# Altium PCB F767最小系统V2.0.PcbDoc (continued)
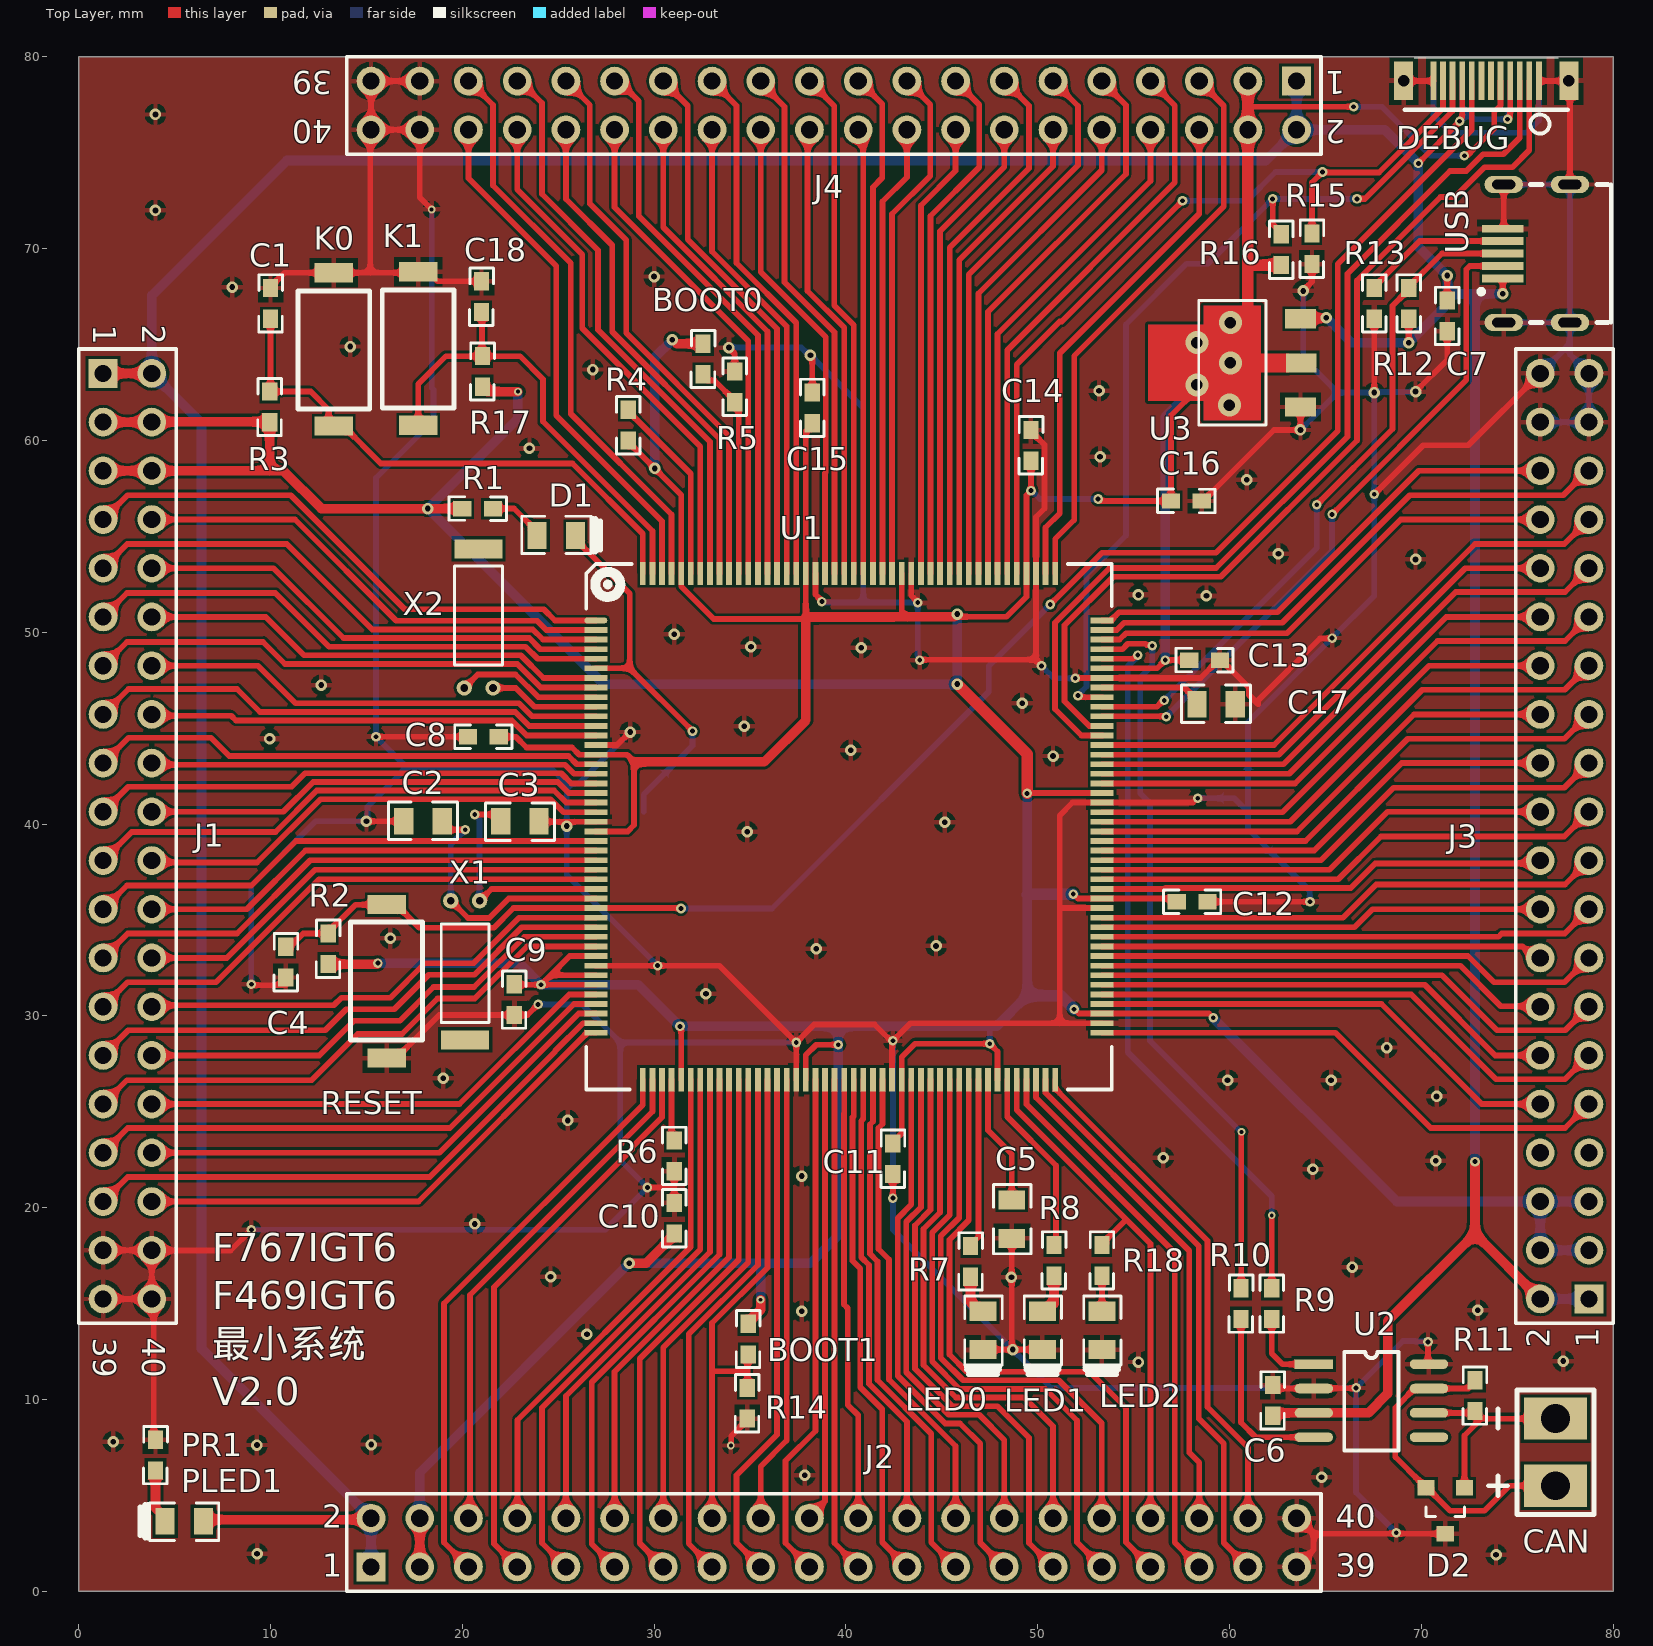
[diagram p0: Top Layer view]
## Nets (pads, with @x,y where several pads share a name; then routed paths per layer and width w, separated by ;. In a path a pad name is that pad's centre, name@x,y a point inside that pad or via, vN(x,y) a via of type N, cw(c..) or ccw(c..) an arc to the next point about the centre after c; other vN are vias at no path point) (continued)
  Top Layer w0.5: J1.1 J1.2 ; PLED1.1 6.58,3.73 15.16,3.73 J2.2 ; C6.1 62.4,9.3 U2.3 67.25,9.3 68.25,10.3 68.25,14.09 72.8,18.64 ; U3.3@63.731,66.381 65.031,66.381 v1(65.05,66.4) ; v2(72.8,22.4) 72.8,18.64 ; J3.2 72.8,18.64
  Bottom Layer w0.3: v2(72,76.65) 72.035,76.65 72.454,77.069 ; DEBUG.B4 72.135,77.388 72.454,77.069 ; DEBUG.B9 74.635,77.135 74.538,77.038 74.538,76.788 v2(74.5,76.75) 72.773,76.75 72.454,77.069
  Bottom Layer w0.5: J2.1 J2.2 6.4,12.65 6.4,60.91 J1.2 3.81,67.56 10.85,74.6 61.9,74.6 J4.2 ; J4.1 J4.2 ; v1(65.05,66.4) 66.35,65.1 v1(69.35,65.1) 71.35,67.1 71.35,67.65 ; v2(72.8,22.4) 72.8,67.65 ; v1(74.25,67.65) 72.8,67.65 ; J3.2 J3.1 ; J4.2 68.1,76.2 v2(69.85,74.45) 69.85,70.1 v1(71.35,68.6) 71.35,67.65 ; 71.35,67.65 72.8,67.65
BOOT0: BOOT0.1 R5.1 U1.166 | length 11.4
  Top Layer w0.3: BOOT0.1 32.55,63.375 32.8,63.125 33.15,63.125 34.2,62.075 R5.1 34.41,61.79 U1.166
CAN1_RX: R10.1 U1.129 | length 38.7
  Top Layer w0.3: U1.129 54.42,49.12 54.7,49.4 55.615,49.4 55.682,49.333 55.934,49.333 v2(55.972,49.295) ; R10.1 60.614,15.814 60.614,23.937 v3(60.628,23.951)
  Bottom Layer w0.3: v2(55.972,49.295) 55.972,48.272 55.35,47.65 55.35,41.6 55.85,41.1 55.85,28.7 60.549,24.001 60.551,24.001 60.601,23.951 v3(60.628,23.951)
CAN1_TX: R9.1 U1.128 | length 38.3
  Top Layer w0.3: U1.128 54.974,48.62 55.167,48.814 v2(55.221,48.814) ; R9.1 v3(62.2,19.6)
  Bottom Layer w0.3: v2(55.221,48.814) 55.221,48.753 54.7,48.231 54.7,28.1 62.2,20.6 v3(62.2,19.6)
CANH: CAN.1 D2.2 R11.2 U2.7 | length 17.4
  Top Layer w0.3: R11.2 72.8,10.925 72.445,10.57 U2.7 69.65,10.57 68.65,9.57 68.65,7 69.95,5.7 69.95,5.65 70.2,5.4 D2.2 70.3,5.4 71.5,4.2 73.3,4.2 74.6,5.5 CAN.1
CANL: CAN.2 D2.1 R11.1 U2.6 | length 10.7
  Top Layer w0.3: U2.6 72.775,9.3 72.8,9.325 R11.1@73.125,9 ; D2.1 72.25,8.125 R11.1@73.125,9 ; CAN.2 R11.1@73.125,9
GND: BT1.2 C1.2 C2.1 C3.1 C4.2 C5.2 C6.2 C7.1 C8.2 C9.2 C10.2 C11.2 C12.2 C13.2 C14.2 C15.2 C16.2 C17.2 C18.2 D2.3 DEBUG.0 DEBUG.A1 DEBUG.A12 DEBUG.B1 DEBUG.B12 J1.37 J1.38 J1.39 J1.40 J2.39 J2.40 J3.37 J3.38 J3.39 J3.40 J4.37 J4.38 J4.39 J4.40 K0.2 K1.2 LED0.2 LED1.2 LED2.2 PR1.2 R5.2 R6.2 R13.2 R14.2 R15.2 RESET.2 U1.14 U1.22 U1.37 U1.61 U1.71 U1.90 U1.102 U1.113 U1.126 U1.135 U1.148 U1.158 U2.2 U2.8 U3.1 USB.0 USB.5 | length 524.7
  Top Layer w0.3: J1.39 J1.40 ; J1.37 J1.38 ; PR1.2 3.905,7.995 3.905,15.145 J1.40 ; v2(9,18.85) 7.915,17.765 3.825,17.765 J1.38 ; v2(9,31.65) 9.027,31.65 9.077,31.6 C4.2@10.8,31.6 ; C1.2 10,68.025 10.725,68.75 K0.2 15.2,68.75 ; v1(15,40.15) C2.1 ; v2(15.5,44.55) C8.2 ; RESET.2 16.55,27.8 18.8,30.05 C9.2 23.4,30.05 v2(23.95,30.6) ; J4.37 J4.39 J4.40 ; v3(18.4,72.05) 17.78,72.67 J4.38 J4.40 ; C18.2 18.7,68.3 18.2,68.8 K1.2 17.65,68.75 15.2,68.75 ; C3.1 24.03,40.12 v1@25.45,40.12 ; v1(25.45,39.9) 25.495,39.945 25.495,40.12 U1.22 ; U1.37 v2(30.18,32.62) 33.4,32.62 v2(37.41,28.61) ; U1.14 28.07,44.12 v1(28.75,44.8) ; v2(29.65,21.05) 31.025,21.05 31.05,21.075 ; C10.2 31.05,21.075 ; R6.2 31.05,21.075 ; v1(33.9,64.85) 33.9,64.825 34.2,64.525 R5.2 ; v3(34,7.6) 34.019,7.619 34.019,8.094 34.85,8.925 R14.2 ; U1.61 v2(37.41,28.61) ; v1(38.15,64.45) 38.15,64.369 38.25,64.269 C15.2 ; U1.158 38.41,51.967 38.75,51.627 v2(38.75,51.6) ; U1.71 v2@42.41,28.633 ; v2(42.45,20.5) C11.2 ; U1.148 43.41,51.917 43.75,51.577 v2(43.75,51.55) ; v2(43.85,48.55) 43.867,48.567 49.91,48.567 ; LED0.2 v1(48.7,12.6) ; C5.2 48.65,12.65 v1(48.7,12.6) ; C14.2 49.65,60.475 50.35,59.775 50.35,56.45 49.91,56.01 U1.135 49.91,48.567 ; v2(50.2,48.25) 50.2,48.277 49.91,48.567 ; LED1.2 v1(48.7,12.6) ; 51.15,35.65 51.18,35.62 U1.102 ; v2(51.964,47.6) 52.077,47.6 52.097,47.62 U1.126 58.495,47.62 59.425,48.55 C13.2 59.575,48.55 61.01,47.115 61.01,46.74 61.5,46.25 61.5,46.46 64.721,49.681 65.331,49.681 v2(65.35,49.7) ; U1.90 51.15,29.62 ; v2(58.35,41.35) 58.323,41.35 58.093,41.12 U1.113 51.82,41.12 51.15,40.45 51.15,29.62 ; C16.2 58.625,56.85 62.325,60.55 v1(63.7,60.55) U3.1 ; C12.2 v2(64.2,35.95) ; C6.2 62.43,10.57 U2.2 64.415,10.585 66.585,10.585 v2(66.6,10.6) ; J2.39 64.387,2.157 64.387,3 ; J2.40 63.577,3.81 64.387,3 ; v1(63.85,67.8) 63.85,67.825 64.3,68.275 R15.2 ; v2(67.55,57.2) 70.1,59.75 72.45,59.75 J3.40 ; v1(67.55,62.5) R13.2 ; DEBUG.0@69.078,78.75 DEBUG.A12 ; v1(69.7,62.55) 71.35,64.2 C7.1 ; v2(70.35,13) 70.35,11.89 U2.8 ; D2.3 64.387,3 ; USB.5 74.3,71.1 USB.0@74.3,73.35 ; DEBUG.A1 77.7,78.75 77.75,78.7 USB.0@77.75,73.35 ; J1.40 J1.38 ; 15.2,68.75 15.2,76.16 J4.40 ; v2(37.41,28.61) 38.35,29.55 41.493,29.55 v2@42.41,28.633 ; v2@42.41,28.633 42.45,28.673 v2(42.45,28.7) 43.37,29.62 51.15,29.62
  Bottom Layer w0.3: v2(9,18.85) 27.45,18.85 v2(29.65,21.05) 28.24,22.46 28.24,28.61 ; v2(9,31.65) 9,36.8 12.35,40.15 v1(15,40.15) 15.05,40.2 15.05,40.9 17.1,42.95 ; v3(18.4,72.05) 18.4,62.75 18.5,62.65 18.5,61.05 15.5,58.05 v2(15.5,44.55) 17.1,42.95 ; v2(23.95,30.6) 26.25,30.6 28.24,28.61 ; v1(28.75,44.8) 26.05,42.1 25.45,42.1 ; v2(30.18,32.62) 25.45,37.35 v1(25.45,39.9) 25.45,42.1 ; v1(33.9,64.85) 37.669,64.85 38.069,64.45 v1(38.15,64.45) 40.9,61.7 40.9,51.55 ; v2(37.41,28.61) 28.24,28.61 ; v2(38.75,51.6) 38.777,51.6 38.827,51.55 40.9,51.55 ; v2(42.45,28.7) v2(42.45,20.5) 42.45,18.85 v1(48.7,12.6) 50.7,10.6 v2(66.6,10.6) ; v2@43.75,48.65 v2(43.75,51.55) 40.9,51.55 ; v2(50.2,48.25) 50.85,47.6 v2(51.964,47.6) ; v2(58.35,41.35) 60.25,41.35 BT1.2 ; v1(63.7,60.55) 65.65,62.5 ; v1(63.85,67.8) 63.85,64.3 65.65,62.5 ; v2(64.2,35.95) 64.181,35.969 64.181,36.519 60.96,39.74 BT1.2 ; v2(68.7,3.05) 66.6,5.15 v2(66.6,10.6) ; DEBUG.0@69.078,78.75 DEBUG.B1 70.635,76.965 71.55,76.05 75.5,76.05 76.135,76.685 DEBUG.B12 DEBUG.0@77.7,78.75 ; v1(69.7,62.55) 69.675,62.525 67.575,62.525 v1(67.55,62.5) ; v2(70.35,13) 70.331,13.019 69.704,13.019 69.673,13.05 69.05,13.05 v2(66.6,10.6) ; USB.0@74.3,66.15 USB.0@77.75,66.15 ; USB.0@74.3,73.35 77.75,73.35 USB.0@77.75,66.15 ; J3.38 J3.37 J3.39 77.75,64.49 77.75,65.05 ; J3.40 77.75,65.05 ; 17.1,42.95 24.6,42.95 25.45,42.1 ; BT1.2 60.96,45.31 v2(65.35,49.7) 67.55,51.9 v2(67.55,57.2) v1(67.55,62.5) ; 65.65,62.5 v1(67.55,62.5) ; 77.75,65.05 USB.0@77.75,66.15
  other v1: 73.9,1.9 9.3,1.95 64.8,5.95 37.85,6.05 9.29,7.623 15.25,7.65 1.8,7.8 55.25,11.95 77.4,12 26.5,13.4 37.7,14.6 72.95,14.65 48.632,16.367 24.6,16.4 66.4,16.9 20.65,19.15 37.7,21.65 64.35,22 70.75,22.45 56.55,22.6 25.5,24.55 70.8,25.8 59.9,26.65 65.3,26.65 19,26.75 68.2,28.35 32.7,31.15 38.45,33.5 44.7,33.65 16.25,34.05 34.85,39.6 45.15,40.1 50.8,43.55 40.25,43.85 9.95,44.45 34.7,45.1 49.2,46.3 12.65,47.25 40.8,49.2 35.05,49.25 31.05,49.9 58.8,51.9 55.25,51.95 69.7,53.8 62.55,54.1 60.9,57.95 53.25,59.15 23.5,59.6 53.2,62.6 26.8,63.7 14.15,64.9 8,68 30,68.55 4,72 4,77
KEY0: C1.1 K0.1 R3.1 U1.176 | length 28.8
  Top Layer w0.3: R3.1 12.1,62.55 13.027,61.623 13.027,61.023 K0.1 13.8,60.75 15.75,58.8 25.75,58.8 29.41,55.14 U1.176 ; R3.1@10,62.55 C1.1
KEY1: C18.1 K1.1 R17.1 U1.175 | length 24.6
  Top Layer w0.3: K1.1 17.7,62.95 19.15,64.4 R17.1 ; C18.1 21.025,66.675 21.025,64.425 R17.1 ; U1.175 29.91,55.276 24.2,60.986 24.2,63.2 23,64.4 R17.1
LED0: R7.1 U1.80 | length 8.9
  Top Layer w0.3: R7.1 46.5,18.075 46.95,18.525 46.91,18.565 U1.80
LED1: R8.1 U1.83 | length 9.2
  Top Layer w0.3: U1.83 48.41,24.74 50.95,22.2 50.95,18.55
NetC5_1: C5.1 U1.81 | length 6.8
  Top Layer w0.3: U1.81 47.41,24.04 48.65,22.8 C5.1
NetC17_1: C17.1 U1.125 | length 5.4
  Top Layer w0.3: U1.125 57.64,47.12 58.3,46.46 C17.1
NetD1_1: D1.1 R1.2 | length 3
  Top Layer w0.3: R1.2 22.7,56.45 23.9,55.25 D1.1
NetLED0_1: LED0.1 R7.2 | length 2.2
  Top Layer w0.5: R7.2 46.5,15.05 46.95,14.6 LED0.1
NetLED1_1: LED1.1 R8.2 | length 2.2
  Top Layer w0.5: LED1.1 50.45,14.6 50.85,15 R8.2
NetLED2_1: LED2.1 R18.2 | length 1.9
  Top Layer w0.3: LED2.1 R18.2
NetPLED1_2: PLED1.2 PR1.1 | length 2.9
  Top Layer w0.5: PR1.1 4,4.35 4.5,3.85 PLED1.2
NetR4_1: R4.1 U1.171 | length 9.9
  Top Layer w0.3: R4.1 28.65,61.525 31.91,58.265 U1.171
NetR6_1: R6.1 U1.48 | length 3.2
  Top Layer w0.3: U1.48 30.91,23.64 R6.1
NetR9_2: R9.2 U2.1 | length 4.2
  Top Layer w0.3: R9.2 62.2,12.4 62.76,11.84 U2.1
NetR10_2: R10.2 U2.4 | length 9.5
  Top Layer w0.3: R10.2 60.6,8.8 61.37,8.03 U2.4
NetR13_1: R13.1 USB.4 | length 7.8
  Top Layer w0.3: R13.1 67.55,68.025 69.925,70.4 USB.4
PA0: J1.32 U1.40 | length 25.5
  Top Layer w0.3: J1.32 19.85,25.4 25.57,31.12 U1.40
PA1: J1.33 U1.41 | length 28.9
  Top Layer w0.3: J1.33 2.56,24.15 19.35,24.15 25.82,30.62 U1.41
PA2: J1.34 U1.42 | length 26.2
  Top Layer w0.3: J1.34 18.81,22.86 26.07,30.12 U1.42
PA3: J2.7 U1.47 | length 29.5
  Top Layer w0.3: J2.7 21.65,2.48 21.65,15.85 28.85,23.05 28.85,23.15 30.41,24.71 U1.47
PA4: J2.8 U1.50 | length 26.6
  Top Layer w0.3: J2.8 22.875,3.825 22.875,8.926 31.91,17.961 U1.50
PA5: J2.9 U1.51 | length 29.3
  Top Layer w0.3: J2.9 24.15,2.52 24.15,9.565 32.41,17.825 U1.51
PA6: J2.10 U1.52 | length 26
  Top Layer w0.3: J2.10 25.4,10.179 32.91,17.689 U1.52
PA7: J2.11 U1.53 | length 28.7
  Top Layer w0.3: J2.11 26.75,2.46 26.75,10.892 33.41,17.552 U1.53
PA8: J3.33 U1.119 | length 30.3
  Top Layer w0.3: U1.119 62.32,44.12 72.8,54.6 77.46,54.6 J3.33
PA9: DEBUG.A3 U1.120 | length 50.2
  Top Layer w0.3: U1.120 52.28,44.62 50.9,46 50.9,50.5 53.75,53.35 59.3,53.35 66.15,60.2 66.15,68.7 71.5,74.05 72.35,74.05 73.225,74.925 74.275,74.925 75.135,75.785 DEBUG.A3
PA10: DEBUG.A2 U1.121 | length 49.5
  Top Layer w0.3: U1.121 52.686,45.12 51.4,46.406 51.4,50.364 53.936,52.9 59.55,52.9 66.65,60 66.65,68.35 71,72.7 71.75,72.7 73.3,74.25 74.75,74.25 75.635,75.135 DEBUG.A2
PA11: U1.122 USB.2 | length 35.1
  Top Layer w0.3: U1.122 56.553,45.62 56.573,45.6 v2(56.7,45.6) ; v2(65.35,56.15) 72.35,63.15 72.35,68.924 72.526,69.1 USB.2
  Bottom Layer w0.3: v2(56.7,45.6) 65.35,54.25 v2(65.35,56.15)
PA12: R12.1 U1.123 USB.3 | length 35.8
  Top Layer w0.3: U1.123 56.22,46.12 56.55,46.45 v2(56.6,46.45) ; v2(64.55,56.65) 68.5,60.6 68.5,67.025 69.35,67.875 R12.1 69.35,68.025 71.075,69.75 USB.3
  Bottom Layer w0.3: v2(56.6,46.45) 64.55,54.4 v2(64.55,56.65)
PA13: DEBUG.A10 R16.1 U1.124 | length 47
  Top Layer w0.3: v2(52.1,46.7) 52.127,46.7 52.207,46.62 U1.124 ; v2(62.25,72.6) 62.25,71.375 62.2,71.325 62.7,70.825 R16.1 ; v2(66.65,72.6) 67.05,72.6 71.635,77.185 DEBUG.A10
  Bottom Layer w0.3: v2(52.1,46.7) 52.1,46.719 52.55,47.169 52.55,53 54.6,55.05 54.6,66.05 57.765,69.215 58.865,69.215 v2(62.25,72.6) v2(66.65,72.6)
PA14: DEBUG.A11 R15.1 U1.137 | length 43.5
  Top Layer w0.3: U1.137 48.91,63.96 51.15,66.2 51.25,66.2 v2(57.55,72.5) ; R15.1 64.3,73.45 v2(64.85,74) ; v2@64.831,73.981 67.794,73.981 71.135,77.321 DEBUG.A11
  Bottom Layer w0.3: v2(57.55,72.5) 60.9,72.5 62.4,74 v2(64.85,74)
PA15: J4.7 U1.138 | length 29.8
  Top Layer w0.3: U1.138 48.41,64.71 57.15,73.45 57.15,77.47 J4.7
PB0: J2.14 U1.56 | length 24.7
  Top Layer w0.3: J2.14 30.48,12.713 34.91,17.143 U1.56
PB1: J2.15 U1.57 | length 27.4
  Top Layer w0.3: J2.15 31.8,2.49 31.8,13.397 35.41,17.007 U1.57
PB2: BOOT1.2 J2.16 R14.1 U1.58 | length 27.7
  Top Layer w0.3: J2.16 33.02,11.45 ; R14.1 34.875,10.625 34.875,11.475 ; BOOT1.2 34.875,12.325 34.875,11.475 ; U1.58 35.91,16.87 33.02,13.98 33.02,11.45 ; 33.02,11.45 33.045,11.475 34.875,11.475
PB3: J4.26 U1.161 | length 24.7
  Top Layer w0.3: J4.26 33.02,69.853 36.91,65.963 U1.161
PB4: J4.27 U1.162 | length 28.1
  Top Layer w0.3: J4.27 30.48,78.72 31.75,77.45 31.75,70.486 36.41,65.826 U1.162
PB5: J4.28 U1.163 | length 25.4
  Top Layer w0.3: J4.28 30.48,71.12 35.91,65.69 U1.163
PB6: J4.29 U1.164 | length 28.9
  Top Layer w0.3: J4.29 28.16,78.74 29.2,77.7 29.2,71.7 35.41,65.49 U1.164
PB7: J4.30 U1.165 | length 26
  Top Layer w0.3: J4.30 27.94,72.16 34.91,65.19 U1.165
PB8: J4.31 U1.167 | length 29.2
  Top Layer w0.3: J4.31 26.65,77.49 26.65,72.35 28.55,70.45 28.55,65.6 33.91,60.24 U1.167
PB9: J4.32 U1.168 | length 26.4
  Top Layer w0.3: J4.32 25.4,72.6 27.818,70.182 27.818,65.668 33.41,60.076 U1.168
PB10: J2.33 U1.79 | length 33.9
  Top Layer w0.3: U1.79 46.41,19.342 45.4,18.332 45.4,12.35 46.3,11.45 52.7,11.45 54.6,9.55 54.6,2.55 J2.33
PB12: J3.10 U1.92 | length 25
  Top Layer w0.3: U1.92 67.93,30.62 73.15,25.4 J3.10
PB13: J3.11 U1.93 | length 27.7
  Top Layer w0.3: U1.93 69.48,31.12 73.9,26.7 77.5,26.7 J3.11
PB14: J3.12 U1.94 | length 24.4
  Top Layer w0.3: U1.94 70.18,31.62 73.86,27.94 J3.12
PB15: J3.13 U1.95 | length 27.1
  Top Layer w0.3: U1.95 71.08,32.12 73.95,29.25 77.51,29.25 J3.13
PC0: J1.28 U1.32 | length 25.1
  Top Layer w0.3: J1.28 3.88,30.55 13.3,30.55 13.7,30.95 16.25,30.95 18.05,32.75 20.592,32.75 22.962,35.12 U1.32
PC1: J1.29 U1.33 | length 28.5
  Top Layer w0.3: J1.29 2.58,29.25 12.85,29.25 13.95,30.35 16.45,30.35 18.25,32.15 20.628,32.15 23.098,34.62 U1.33
PC2: J1.30 U1.34 | length 25.7
  Top Layer w0.3: J1.30 12.54,27.94 14.35,29.75 16.75,29.75 18.5,31.5 20.614,31.5 23.234,34.12 U1.34
PC3: J1.31 U1.35 | length 29.1
  Top Layer w0.3: J1.31 2.52,26.65 12.15,26.65 14.55,29.05 16.85,29.05 18.7,30.9 20.651,30.9 23.371,33.62 U1.35
PC4: J2.12 U1.54 | length 25.3
  Top Layer w0.3: J2.12 27.94,11.446 33.91,17.416 U1.54
PC5: J2.13 U1.55 | length 28
  Top Layer w0.3: J2.13 29.25,2.5 29.25,12.12 34.41,17.28 U1.55
PC6: J3.29 U1.115 | length 29
  Top Layer w0.3: U1.115 63.42,42.12 70.85,49.55 77.49,49.55 J3.29
PC7: J3.30 U1.116 | length 26.2
  Top Layer w0.3: U1.116 63.12,42.62 71.3,50.8 J3.30
PC8: J3.31 U1.117 | length 29.6
  Top Layer w0.3: U1.117 62.82,43.12 71.8,52.1 77.5,52.1 J3.31
PC9: J3.32 U1.118 | length 26.9
  Top Layer w0.3: U1.118 62.57,43.62 72.29,53.34 J3.32
PC10: J4.8 U1.139 | length 26.4
  Top Layer w0.3: U1.139 47.91,65.56 55.88,73.53 J4.8
PC11: J4.9 U1.140 | length 29.2
  Top Layer w0.3: U1.140 47.41,66.71 54.6,73.9 54.6,77.48 J4.9
PC12: J4.10 U1.141 | length 25.8
  Top Layer w0.3: U1.141 46.91,67.66 53.34,74.09 J4.10
PC13: J1.13 U1.8 | length 27.2
  Top Layer w0.3: J1.13 2.51,49.5 9.6,49.5 10.75,48.35 22.864,48.35 24.094,47.12 U1.8
PC14: U1.9 X2.1 | length 7.6
  Top Layer w0.3: X2.1 20.8,47.8 22.777,47.8 23.957,46.62 U1.9
PC15: U1.10 X2.2 | length 5.8
  Top Layer w0.3: X2.2 22.786,47.1 23.766,46.12 U1.10
PD0: J4.11 U1.142 | length 28.6
  Top Layer w0.3: U1.142 46.41,68.66 52.1,74.35 52.1,77.44 J4.11
PD1: J4.12 U1.143 | length 25.2
  Top Layer w0.3: U1.143 45.91,69.41 50.8,74.3 J4.12
PD2: J4.13 U1.144 | length 27.9
  Top Layer w0.3: U1.144 45.41,70.06 49.55,74.2 49.55,77.45 J4.13
PD3: J4.14 U1.145 | length 24.5
  Top Layer w0.3: U1.145 44.91,70.91 48.26,74.26 J4.14
PD4: J4.15 U1.146 | length 27.2
  Top Layer w0.3: U1.146 44.41,71.71 46.95,74.25 46.95,77.51 J4.15
PD5: J4.16 U1.147 | length 23.9
  Top Layer w0.3: U1.147 43.91,72.26 45.72,74.07 J4.16
PD6: J4.17 U1.150 | length 27
  Top Layer w0.3: U1.150 42.41,71.81 44.4,73.8 44.4,77.52 J4.17
PD7: J4.18 U1.151 | length 23.7
  Top Layer w0.3: U1.151 41.91,72.46 43.18,73.73 J4.18
PD8: J3.14 U1.96 | length 23.7
  Top Layer w0.3: U1.96 72.03,32.62 74.15,30.5 76.18,30.5 J3.14
PD9: J3.15 U1.97 | length 26.5
  Top Layer w0.3: U1.97 72.43,33.12 73.8,31.75 77.47,31.75 J3.15
PD10: J3.16 U1.98 | length 23.1
  Top Layer w0.3: U1.98 75.275,33.62 75.875,33.02 J3.16
PD11: J3.17 U1.99 | length 26
  Top Layer w0.3: U1.99 74.02,34.12 74.2,34.3 77.48,34.3 J3.17
PD12: J3.18 U1.100 | length 23.2
  Top Layer w0.3: U1.100 66.52,34.62 67.46,35.56 J3.18
PD13: J3.19 U1.101 | length 26.6
  Top Layer w0.3: U1.101 65.92,35.12 67.65,36.85 77.49,36.85 J3.19
PD14: J3.20 U1.104 | length 23.5
  Top Layer w0.3: U1.104 56.621,36.62 56.671,36.67 66.32,36.67 67.6,37.95 76.05,37.95 J3.20
PD15: J3.21 U1.105 | length 26.8
  Top Layer w0.3: U1.105 65.67,37.12 67.9,39.35 77.45,39.35 J3.21
PE0: J4.33 U1.169 | length 29.9
  Top Layer w0.3: J4.33 23.01,78.74 24.15,77.6 24.15,72.85 27.075,69.925 27.075,65.775 32.91,59.94 U1.169
PE1: J4.34 U1.170 | length 27.1
  Top Layer w0.3: J4.34 22.86,73.09 26.25,69.7 26.25,65.85 32.41,59.69 U1.170
PE2: J1.7 U1.1 | length 28.9
  Top Layer w0.3: J1.7 2.54,57.15 11.05,57.15 17,51.2 24.25,51.2 24.83,50.62 U1.1
PE3: J1.8 U1.2 | length 25.5
  Top Layer w0.3: J1.8 11.27,55.88 16.55,50.6 20.336,50.6 23.9,50.6 24.38,50.12 U1.2
PE4: J1.9 U1.3 | length 28.3
  Top Layer w0.3: J1.9 2.53,54.6 10.85,54.6 15.3,50.15 20.15,50.15 23.673,50.15 24.203,49.62 U1.3
PE5: J1.10 U1.4 | length 24.9
  Top Layer w0.3: J1.10 10.16,53.34 13.8,49.7 23.486,49.7 24.066,49.12 U1.4
PE6: J1.11 U1.5 | length 27.6
  Top Layer w0.3: J1.11 2.52,52.05 10.25,52.05 13.05,49.25 23.3,49.25 23.93,48.62 U1.5
PE7: J2.24 U1.68 | length 23.9
  Top Layer w0.3: U1.68 40.91,24.633 40.8,24.523 40.8,17.414 41.2,17.014 41.2,10.822 43.18,8.842 J2.24
PE8: J2.25 U1.69 | length 27.3
  Top Layer w0.3: U1.69 41.41,24.496 41.25,24.336 41.25,17.6 41.65,17.2 41.65,11.009 44.45,8.209 44.45,2.54 J2.25
PE9: J2.26 U1.70 | length 24.6
  Top Layer w0.3: U1.70 41.91,24.36 41.7,24.15 41.7,17.85 42.25,17.3 42.25,11.045 45.72,7.575 J2.26
PE10: J2.27 U1.73 | length 28.4
  Top Layer w0.3: U1.73 43.41,20.16 42.7,19.45 42.7,11.232 45.182,8.75 45.95,8.75 47,7.7 47,2.53 J2.27
PE11: J2.28 U1.74 | length 26.2
  Top Layer w0.3: U1.74 43.91,20.024 43.15,19.264 43.15,11.418 45.368,9.2 46.95,9.2 48.26,7.89 J2.28
PE12: J2.29 U1.75 | length 30.1
  Top Layer w0.3: U1.75 44.41,19.887 43.6,19.077 43.6,11.604 45.554,9.65 47.9,9.65 49.55,8 49.55,2.52 J2.29
PE13: J2.30 U1.76 | length 28.1
  Top Layer w0.3: U1.76 44.91,19.751 44.05,18.891 44.05,11.791 45.741,10.1 49.3,10.1 50.8,8.6 J2.30
PE14: J2.31 U1.77 | length 32.1
  Top Layer w0.3: U1.77 45.41,19.614 44.5,18.704 44.5,11.977 45.927,10.55 49.7,10.55 50.4,10.55 52.05,8.9 52.05,2.56 J2.31
PE15: J2.32 U1.78 | length 29.7
  Top Layer w0.3: U1.78 45.91,19.478 44.95,18.518 44.95,12.164 46.114,11 51.1,11 53.34,8.76 J2.32
PF0: J1.17 U1.16 | length 26.8
  Top Layer w0.3: J1.17 2.59,44.5 6.9,44.5 7.85,43.55 25.532,43.55 25.962,43.12 U1.16
PF1: J1.18 U1.17 | length 23.4
  Top Layer w0.3: J1.18 3.89,43.1 25.346,43.1 25.826,42.62 U1.17
PF2: J1.19 U1.18 | length 26.7
  Top Layer w0.3: J1.19 2.58,41.95 11.1,41.95 11.8,42.65 25.159,42.65 25.689,42.12 U1.18
PF3: J1.20 U1.19 | length 24
  Top Layer w0.3: J1.20 10.667,40.64 12.227,42.2 24.973,42.2 25.553,41.62 U1.19
PF4: J1.21 U1.20 | length 27.5
  Top Layer w0.3: J1.21 2.76,39.59 10.254,39.59 12.414,41.75 24.786,41.75 25.416,41.12 U1.20
PF5: J1.22 U1.21 | length 24.8
  Top Layer w0.3: J1.22 3.91,38 9.3,38 12.6,41.3 24.6,41.3 25.28,40.62 U1.21
PF6: J1.23 U1.24 | length 27.2
  Top Layer w0.3: J1.23 2.51,36.8 9,36.8 11.32,39.12 U1.24
PF7: J1.24 U1.25 | length 24.4
  Top Layer w0.3: J1.24 8.76,35.56 11.82,38.62 U1.25
PF8: J1.25 U1.26 | length 27.8
  Top Layer w0.3: J1.25 2.55,34.3 8.25,34.3 12.07,38.12 U1.26
PF9: J1.26 U1.27 | length 25.1
  Top Layer w0.3: J1.26 7.72,33.02 12.32,37.62 U1.27
PF10: J1.27 U1.28 | length 28.4
  Top Layer w0.3: J1.27 2.54,31.75 7.15,31.75 12.52,37.12 U1.28
PF11: J2.17 U1.59 | length 26.8
  Top Layer w0.3: J2.17 34.3,2.53 34.3,6.05 36.41,8.16 U1.59
PF12: J2.18 U1.60 | length 23.4
  Top Layer w0.3: J2.18 35.56,6.51 36.91,7.86 U1.60
PF13: J2.19 U1.63 | length 26.6
  Top Layer w0.3: J2.19 36.85,2.52 36.85,6.8 38.41,8.36 U1.63
PF14: J2.20 U1.64 | length 23.2
  Top Layer w0.3: J2.20 38.1,3.887 38.91,4.697 U1.64
PF15: J2.21 U1.65 | length 25.9
  Top Layer w0.3: U1.65 39.41,5.01 39.4,5 39.4,2.51 J2.21
PG0: J2.22 U1.66 | length 23.2
  Top Layer w0.3: U1.66 39.91,24.906 39.9,24.896 39.9,14.95 40.1,14.75 40.1,9.712 40.64,9.172 J2.22
PG1: J2.23 U1.67 | length 26.6
  Top Layer w0.3: U1.67 40.41,24.769 40.35,24.709 40.35,17.227 40.75,16.827 40.75,10.636 41.9,9.486 41.9,2.55 J2.23
PG2: J3.22 U1.106 | length 24.1
  Top Layer w0.3: U1.106 65.22,37.62 68.24,40.64 J3.22
PG3: J3.23 U1.107 | length 27.5
  Top Layer w0.3: U1.107 64.77,38.12 68.55,41.9 77.46,41.9 J3.23
PG4: J3.24 U1.108 | length 24.7
  Top Layer w0.3: U1.108 64.42,38.62 68.98,43.18 J3.24
PG5: J3.25 U1.109 | length 28.1
  Top Layer w0.3: U1.109 63.97,39.12 69.3,44.45 77.47,44.45 J3.25
PG6: J3.26 U1.110 | length 25.4
  Top Layer w0.3: U1.110 63.52,39.62 69.62,45.72 J3.26
PG7: J3.27 U1.111 | length 28.8
  Top Layer w0.3: U1.111 63.17,40.12 70.05,47 77.48,47 J3.27
PG8: J3.28 U1.112 | length 26
  Top Layer w0.3: U1.112 62.77,40.62 70.41,48.26 J3.28
PG9: J4.19 U1.152 | length 26.4
  Top Layer w0.3: J4.19 40.71,78.74 41.9,77.55 41.9,73.7 41.41,73.21 U1.152
PG10: J4.20 U1.153 | length 23.2
  Top Layer w0.3: J4.20 40.64,75.875 40.91,75.605 U1.153
PG11: J4.21 U1.154 | length 26.6
  Top Layer w0.3: J4.21 39.393,77.447 39.393,67.043 40.41,66.026 U1.154
PG12: J4.22 U1.155 | length 24
  Top Layer w0.3: J4.22 38,76.1 38,67.8 39.91,65.89 U1.155
PG13: J4.23 U1.156 | length 27.3
  Top Layer w0.3: J4.23 35.56,78.64 36.8,77.4 36.8,68.25 39.41,65.64 U1.156
PG14: J4.24 U1.157 | length 24.6
  Top Layer w0.3: J4.24 35.56,68.79 38.95,65.4 38.95,58.33 38.91,58.29 U1.157
PG15: J4.25 U1.160 | length 27.5
  Top Layer w0.3: J4.25 34.3,77.46 34.3,69.25 37.41,66.14 U1.160
PH0: C3.2 U1.29 X1.1 | length 12.5
  Top Layer w0.3: v2(20.65,40.5) 21.65,40.5 C3.2 ; X1.1@20.9,36.1 X1.1 21.52,36.62 U1.29
  Bottom Layer w0.3: v2(20.65,40.5) 20.65,40.473 20.9,40.223 X1.1
PH1: C2.2 U1.30 X1.2 | length 13.8
  Top Layer w0.3: C2.2 18.95,40.05 19.3,39.7 v2(20.15,39.7) ; X1.2 20.3,35.1 21.4,35.1 22.42,36.12 U1.30
  Bottom Layer w0.3: X1.2 19.4,38.95 v2(20.15,39.7)
PH2: J1.35 U1.43 | length 29.6
  Top Layer w0.3: J1.35 2.55,21.6 18.3,21.6 24.85,28.15 24.85,28.184 26.286,29.62 U1.43
PH3: J1.36 U1.44 | length 26.8
  Top Layer w0.3: J1.36 17.71,20.32 26.51,29.12 U1.44
PH4: J2.5 U1.45 | length 30.2
  Top Layer w0.3: J2.5 19.05,2.54 19.05,15 29.41,25.36 U1.45
PH5: J2.6 U1.46 | length 26.8
  Top Layer w0.3: J2.6 20.4,3.89 20.4,15.45 28.3,23.35 28.3,23.4 29.91,25.01 U1.46
PH7: J2.34 R18.1 U1.84 | length 27.6
  Top Layer w0.3: U1.84 48.91,25.09 54.6,19.4 ; R18.1 53.35,18.125 54.6,19.375 54.6,19.4 ; J2.34 55.88,18.12 54.6,19.4
PH8: J2.35 U1.85 | length 29.1
  Top Layer w0.3: U1.85 49.41,25.39 57.15,17.65 57.15,2.54 J2.35
PH9: J2.36 U1.86 | length 26.4
  Top Layer w0.3: U1.86 49.91,25.74 57.9,17.75 57.9,7.227 58.42,6.707 J2.36
PH10: J2.37 U1.87 | length 29.8
  Top Layer w0.3: U1.87 50.41,25.996 58.4,18.006 58.4,9 59.7,7.7 59.7,2.53 J2.37
PH11: J2.38 U1.88 | length 27
  Top Layer w0.3: U1.88 50.91,26.22 58.85,18.28 58.85,9.6 60.96,7.49 J2.38
PH12: J3.9 U1.89 | length 28
  Top Layer w0.3: U1.89 65.53,29.12 70.5,24.15 77.49,24.15 J3.9
PH15: J3.34 U1.130 | length 25.4
  Top Layer w0.3: U1.130 54.27,49.62 54.6,49.95 63,49.95 68.93,55.88 J3.34
PI0: J3.35 U1.131 | length 28.8
  Top Layer w0.3: U1.131 54.12,50.12 54.5,50.5 62.75,50.5 69.4,57.15 77.4,57.15 78.67,58.42 J3.35
PI1: J3.36 U1.132 | length 26.1
  Top Layer w0.3: U1.132 53.81,50.62 54.24,51.05 62.5,51.05 69.87,58.42 J3.36
PI2: J4.5 U1.133 | length 29.8
  Top Layer w0.3: U1.133 50.91,54.86 51.9,55.85 51.9,64.4 59.7,72.2 59.7,77.46 J4.5
PI3: J4.6 U1.134 | length 26.4
  Top Layer w0.3: U1.134 50.41,55.46 51.15,56.2 51.15,64.55 58.42,71.82 J4.6
PI4: J4.35 U1.173 | length 30.1
  Top Layer w0.3: J4.35 20.36,78.74 21.6,77.5 21.6,73.3 25.65,69.25 25.65,61.4 30.91,56.14 U1.173
PI5: J4.36 U1.174 | length 27.3
  Top Layer w0.3: J4.36 20.32,73.68 24.9,69.1 24.9,61.3 30.41,55.79 U1.174
PI8: J1.12 U1.7 | length 24.5
  Top Layer w0.3: J1.12 9.75,50.8 11.75,48.8 23.05,48.8 24.23,47.62 U1.7
PI9: J1.14 U1.11 | length 24.2
  Top Layer w0.3: J1.14 9.34,48.26 11.3,46.3 22.95,46.3 23.63,45.62 U1.11
PI10: J1.15 U1.12 | length 27.1
  Top Layer w0.3: J1.15 1.27,45.82 1.35,45.9 1.45,45.9 2.6,47.05 8.25,47.05 9.45,45.85 22.764,45.85 23.494,45.12 U1.12
PI11: J1.16 U1.13 | length 23.6
  Top Layer w0.3: J1.16 3.88,45.65 7.95,45.65 8.2,45.4 22.577,45.4 23.357,44.62 U1.13
RESET: C4.1 DEBUG.A8 R2.1 RESET.1 U1.31 | length 89
  Top Layer w0.3: C4.1 11,33.6 11.7,34.3 R2.1 13,34.375 14.425,35.8 RESET.1 16.55,35.8 17.75,34.6 21.65,34.6 22.67,35.62 U1.31 31.353,35.62 31.373,35.6 v2(31.4,35.6) ; v2(50.65,51.45) 53.35,54.15 59.3,54.15 65.65,60.5 65.65,69.2 72.635,76.185 DEBUG.A8
  Bottom Layer w0.3: v2(31.4,35.6) 36.15,35.6 47.45,46.9 47.45,48.25 v2(50.65,51.45)
VBAT: BT1.1 D1.2 U1.6 | length 19.8
  Top Layer w0.3: D1.2 25.9,54.85 28.73,52.02 28.73,48.12 ; U1.6 28.73,48.12 ; v2(32,44.85) 28.73,48.12
  Bottom Layer w0.3: BT1.1 29.46,41.54 32,44.08 v2(32,44.85)
pads on no net: DEBUG.A6 DEBUG.A7 DEBUG.B2 DEBUG.B3 DEBUG.B5 DEBUG.B6 DEBUG.B7 DEBUG.B8 DEBUG.B10 DEBUG.B11 J3.7 J3.8 U2.5 X1.0 X2.0

## Polygon pours and split planes (outlines as drawn)
GND on Top Layer "GND_L01_P000" (solid, pour order 0): 0,0 80,0 80,80 0,80
GND on Bottom Layer "GND_L02_P002" (solid, pour order 2): 0,0 80,0 80,80 0,80

## Silkscreen, mask and mechanical layers (free items; w line width, h text height)
Top Overlay:
  text "F767IGT6 / F469IGT6 / 最小系统 / V2.0" at 6.95,9.2 h2.5
Mechanical 1:
  the board outline again, w0.2

## Text inside footprints (layer, text, board x,y; h text height)
J1: Top Overlay "1" at 0.762,66.04 h1.2 r270; Top Overlay "2" at 3.302,66.04 h1.2 r270; Top Overlay "40" at 3.302,13.208 h1.2 r270; Top Overlay "39" at 0.762,13.208 h1.2 r270
J2: Top Overlay "1" at 12.7,0.762 h1.2; Top Overlay "2" at 12.7,3.302 h1.2; Top Overlay "40" at 65.532,3.302 h1.2; Top Overlay "39" at 65.532,0.762 h1.2
J3: Top Overlay "1" at 79.248,12.7 h1.2 r90; Top Overlay "2" at 76.708,12.7 h1.2 r90
J4: Top Overlay "1" at 66.04,79.248 h1.2 r180; Top Overlay "2" at 66.04,76.708 h1.2 r180; Top Overlay "40" at 13.208,76.708 h1.2 r180; Top Overlay "39" at 13.208,79.248 h1.2 r180